# Altium PCB MyPCB.PcbDoc (part 1 of 2)
Units mil, origin at the board's own origin, x right, y up, seen from the top; angles counter-clockwise.
Board outline 3779.53 x 1968.5 mil, 2 copper layers (Top Layer, Bottom Layer); 73 components, 82 nets, 385 pads, 196 vias.
Unrouted connection lines stored in the file: 65.
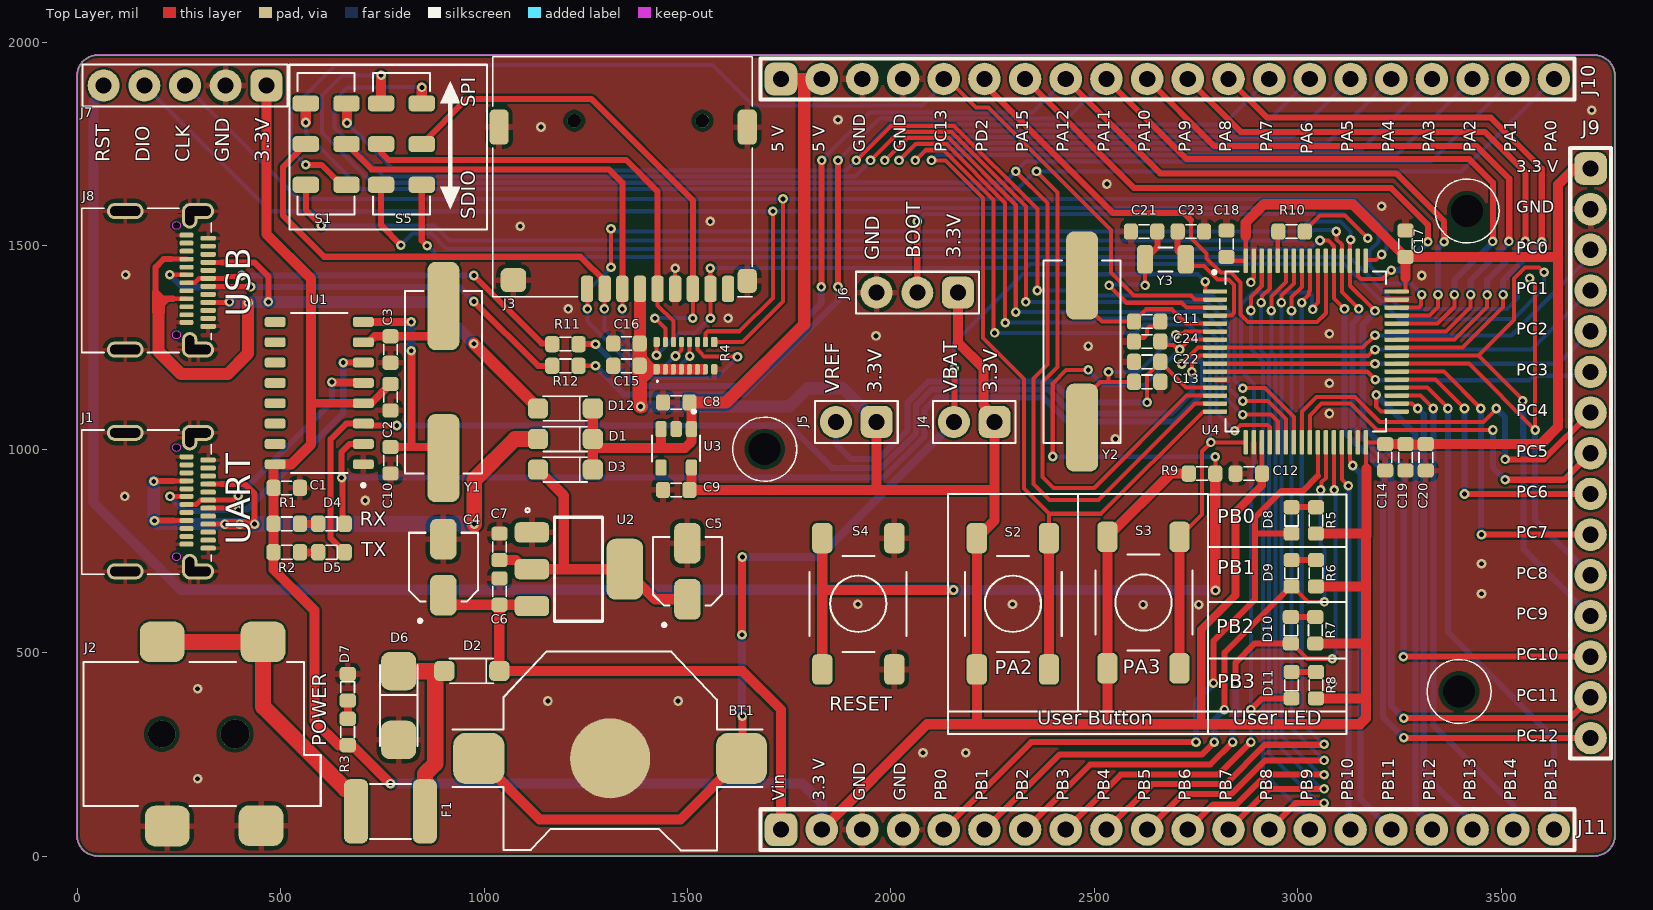
[diagram p0: Top Layer view]
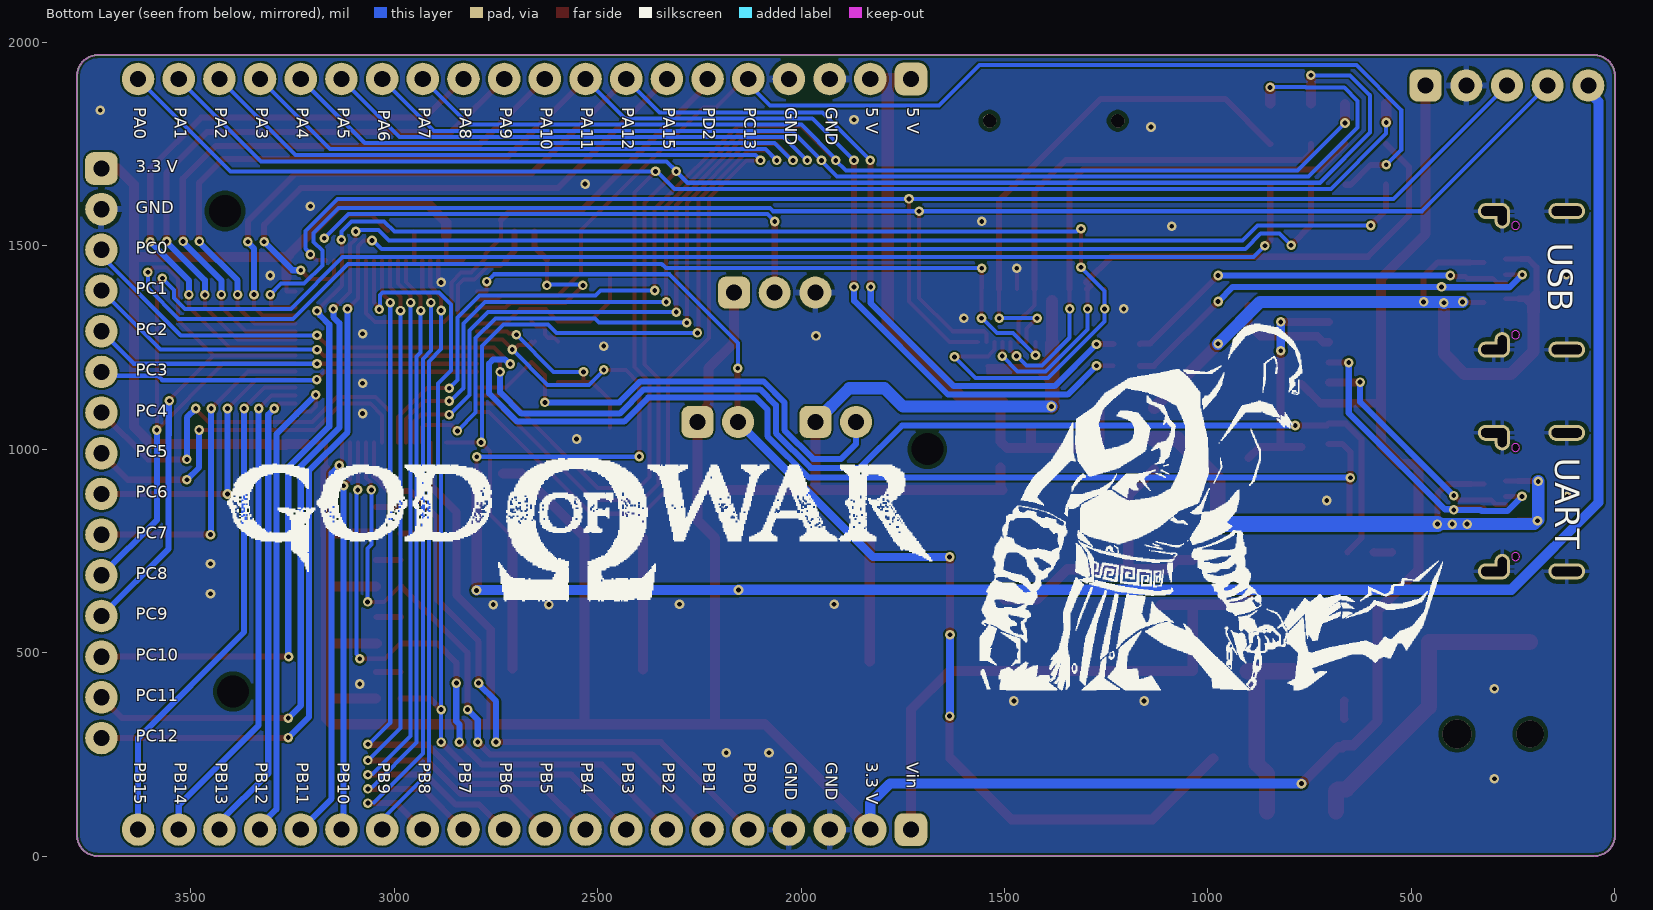
[diagram p1: Bottom Layer view, seen from below]

## Layer stack, top to bottom
Top Solder: solder mask 0.4, Solder Resist, Dk 3.5
Top Layer: signal copper 1.4
Dielectric 1: dielectric 12.6, FR-4, Dk 4.8
Bottom Layer: signal copper 1.4
Bottom Solder: solder mask 0.4, Solder Resist, Dk 3.5

## Board outline
50,0 cw(c50,50) 0,50 0,1918.5 cw(c50,1918.5) 50,1968.5 3729.53,1968.5 cw(c3729.53,1918.5) 3779.53,1918.5 3779.53,50 cw(c3729.53,50) 3729.53,0
cut-out: 244,1540.16 cw(c244,1550) 234.16,1550 cw(c244,1550) 244,1559.84 cw(c244,1550) 253.84,1550 cw(c244,1550)
cut-out: 244,1271.39 cw(c244,1281.23) 234.16,1281.23 cw(c244,1281.23) 244,1291.08 cw(c244,1281.23) 253.84,1281.23 cw(c244,1281.23)
cut-out: 244,994.25 cw(c244,1004.09) 234.16,1004.09 cw(c244,1004.09) 244,1013.94 cw(c244,1004.09) 253.84,1004.09 cw(c244,1004.09)
cut-out: 244,726.06 cw(c244,735.91) 234.16,735.91 cw(c244,735.91) 244,745.75 cw(c244,735.91) 253.84,735.91 cw(c244,735.91)

## Design rules (kind name [scope] priority, off if disabled: settings)
Clearance [All] p1: gap=5 ignorepadtopadclearanceinfootprint=FALSE except(0: Arc-Text Track-Text SMDPad-Text THPad-Text Via-Text Fill-Text Poly-Text Region-Text Text-Text Text-Hole; 8: Arc-THPad Arc-Via Track-THPad Track-Via SMDPad-THPad SMDPad-Via THPad-THPad THPad-Via Via-Via; 10: Arc-Hole Track-Hole SMDPad-Hole THPad-Hole Via-Hole Fill-Hole Poly-Hole Region-Hole)
ComponentClearance [All] p1: gap=5 collisioncheckmode=3 verticalgap=0 showdistances=FALSE
HoleToHoleClearance [All] p1: gap=19.68 allowstackedmicrovias=TRUE
MinimumSolderMaskSliver [All] p1 off: minsoldermaskwidth=10
NetAntennae [All] p1: netantennaetolerance=10
PlaneClearance [All] p1: clearance=30
PlaneConnect [All] p1: planeconnectstyle=Relief reliefexpansion=15 reliefentries=4 reliefconductorwidth=15 reliefairgap=10
PolygonConnect [All] p1: connectstyle=Relief reliefconductorwidth=15 reliefentries=4 polygonreliefangle="90 Angle" airgapwidth=10
RoutingCorners [All] p1: cornerstyle=45-Degree minsetback=80 maxsetback=80
RoutingVias [All] p1: holewidth=6 width=10 viastyle="Through Hole" minholewidth=6 minwidth=10 maxholewidth=39.37 maxwidth=78.74
SMDToCorner [All] p1 off: distance=80000
SMDToPlane [All] p1: distance=150000
SilkToSilkClearance [All] p1 off: silktosilkclearance=0
SilkToSolderMaskClearance [IsPad] p1 off: minsilkscreentomaskgap=10 clearancetoexposedcopper=TRUE
SolderMaskExpansion [All] p1: expansion=4 istentingtop=FALSE
Width [All] p1: maxlimit=100 minlimit=8 preferedwidth=10 minimp=50.000000 maximp=50.000000 favimp=50.000000
21 further rules are at their usual default settings.

## Components (designator, comment, footprint, x,y, rotation, side; value= is the part's Value field where it differs from the comment)
BT1 "L-KLS5-CR1220-011-R" "BATTERY HOLDER CR1220" 1310,240 r180 top
C1 "CC0603JRX7R9BB104" "CAP 0603" 515,905 r180 top
C2 "CC0603JRX7R9BB104" "CAP 0603" 770,1127.8 r90 top
C3 "CC0603JRNPO9BN330" "CAP 0603" 770,1245 r270 top
C4 "EEEFK1C470SR" SMD,D4XL5.8MM 900,710 r90 top
C5 "EEEFK1C470SR" SMD,D4XL5.8MM 1500,700 r90 top
C6 "CC0603JRX7R9BB104" "CAP 0603" 1038,650 r270 top
C7 "CL10A106KO8NQNC" "CAP 0603" 1038,760 r270 top
C8 "CL10A105KA8NNNC" "CAP 0603" 1472.5,1115 r0 top
C9 "CL10A105KA8NNNC" "CAP 0603" 1472.5,900 r0 top
C10 "CC0603JRNPO9BN330" "CAP 0603" 770,972.8 r270 top
C11 "CC0603JRNPO9BN330" "CAP 0603" 2630,1314 r180 top
C12 "CC0603JRX7R9BB104" "CAP 0603" 2880,940 r180 top
C13 "CC0603JRNPO9BN330" "CAP 0603" 2630,1165.73 r180 top
C14 "CC0603JRX7R9BB104" "CAP 0603" 3215,980 r270 top
C15 "CL10A105KA8NNNC" "CAP 0603" 1350,1205 r0 top
C16 "CC0603JRX7R9BB104" "CAP 0603" 1350,1260 r0 top
C17 "CC0603JRX7R9BB104" "CAP 0603" 3265,1505 r90 top
C18 "CC0603JRX7R9BB104" "CAP 0603" 2825,1505 r90 top
C19 "CL10A105KA8NNNC" "CAP 0603" 3265,980 r270 top
C20 "CL10A106KO8NQNC" "CAP 0603" 3315,980 r270 top
C21 "CC0603FRNPO9BN100" "CAP 0603" 2622.5,1535 r0 top
C22 "CC0603JRX7R9BB104" "CAP 0603" 2630,1214.73 r180 top
C23 "CC0603FRNPO9BN100" "CAP 0603" 2737.5,1535 r180 top
C24 "CC0603JRX7R9BB104" "CAP 0603" 2630,1264.73 r0 top
D1 "1N5819HW-7-F" SOD-123 1200,1025 r180 top
D2 "1N5819HW-7-F" SOD-123 970,455 r180 top
D3 "1N5819HW-7-F" SOD-123 1200,950 r180 top
D4 "NCD0603B1" LED_0603 625,816.73 r0 top
D5 "NCD0603R1" LED_0603 625,746.73 r0 top
D6 "SMAJ15A" "DO214AC (SMA)" 790,370 r270 top
D7 "NCD0603R1" LED_0603 665,415 r90 top
D8 "NCD0603B1" LED_0603 2985,825 r270 top
D9 "NCD0603B1" LED_0603 2985,695 r270 top
D10 "NCD0603B1" LED_0603 2983.27,555 r270 top
D11 "NCD0603B1" LED_0603 2985,420 r270 top
D12 "1N5819HW-7-F" SOD-123 1200,1100 r180 top
F1 "FSMD075-33R" PTC_1812 770,110 r0 top
J1 "217B-BC02" "USB TYPE C" 220,870 r270 top
J2 "L-KLS1-TDC-001-2.0-T" "POWER JACK SMD" 332.91,300 r0 top
J3 "KLS1-TF-003" MICRO_SD_CARD 1340,1650 r180 top
J4 "Header_Male_2_PIN(1X2)" HEADER_MALE_2_PIN(1X2) 2205,1067 r180 top
J5 "Header_Male_2_PIN(1X2)" HEADER_MALE_2_PIN(1X2) 1915,1067 r180 top
J6 "Header_Male_3_PIN(1X3)" HEADER_MALE_3_PIN(1X3) 2065,1385 r180 top
J7 "Header_Male_5_PIN(1X5)" HEADER_MALE_5_PIN(1X5) 265,1894 r180 top
J8 "217B-BC02" "USB TYPE C" 220,1415 r270 top
J9 "Header_Female_15_PIN(1X15)" HEADER_FEMALE_15_PIN(1X15) 3720,990 r0 top
J10 "Header_Female_20_PIN(1X20)" HEADER_FEMALE_20_PIN(1X20) 2680,1910 r90 top
J11 "Header_Female_20_PIN(1X20)" HEADER_FEMALE_20_PIN(1X20) 2680,65 r90 top
R1 "AC0603FR-071KL" "RES 0603" 515,816.73 r180 top
R2 "AC0603FR-071KL" "RES 0603" 515,746.73 r180 top
R3 "AC0603FR-071KL" "RES 0603" 665,305 r270 top
R4 "16P8WGJ0103T4E" "RES ARRAY 16P8" 1495,1230 r90 top
R5 "AC0603FR-071KL" "RES 0603" 3045,825 r90 top
R6 "AC0603FR-071KL" "RES 0603" 3045,695 r90 top
R7 "AC0603FR-071KL" "RES 0603" 3043.27,555 r90 top
R8 "AC0603FR-071KL" "RES 0603" 3045,420 r90 top
R9 "RC0603FR-0710KL" "RES 0603" 2765,940 r180 top
R10 "RC0603FR-0710KL" "RES 0603" 2985,1535 r180 top
R11 "RC0603FR-0720RL" "RES 0603" 1200,1258.27 r180 top
R12 "RC0603FR-0720RL" "RES 0603" 1200,1205 r180 top
S1 "JS202011JCQN" "SWITCH SLIDE DPDT" 612,1750 r0 top
S2 "DTSM-61S-V-T/R" "SWITCH TACT 6.00X6.00 4.30MM" 2300,620 r90 top
S3 "DTSM-61S-V-T/R" "SWITCH TACT 6.00X6.00 4.30MM" 2621,623 r90 top
S4 "DTSM-61S-V-T/R" "SWITCH TACT 6.00X6.00 4.30MM" 1920,620 r270 top
S5 "JS202011JCQN" "SWITCH SLIDE DPDT" 797,1750 r0 top
U1 "CH340G" SOIC16N 595,1138 r180 top
U2 "LD1117S50TR" SOT-223 1232,705 r0 top
U3 "XC6210B332MR-G" SOT-25 1472.4,1002.24 r270 top
U4 "Stm32l433rct6" "LQFP 64 - (10 X 10)" 3020,1240 r0 top
Y1 "AS-12.000-18-SMD-TR" HC-49S-SMD 900,1165 r90 top
Y2 "AS-4.000-16-SMD-TR" HC-49S-SMD 2470,1240 r90 top
Y3 "RT3215-32.768-6-EXT-TR" SMD3215-2P 2675,1466.73 r180 top

## Footprints (in the part's own frame and the unit in brackets; to place one, negate y for a bottom-side part, rotate by r counter-clockwise, add the part's x,y. Pads: shape width x height; smd on the part's side, far side on the other; paste and mask are expansions set on the pad)
"BATTERY HOLDER CR1220" [mm]
  round 5 smd: N(0,0)
  rrect50% 3.2x3.2 smd: P(-8.2,0) P(8.2,0)
  silkscreen extent -9.5,-6.66 9.84,5.74, body extent -9.5,-6.76 9.5,5.81, height 3.22
"CAP 0603" [mil] "Chip Capacitor, 2-Leads, Body 1,55x0,85mm, IPC Medium Density"
  rrect50% 35x40 smd: 1(-32.5,0) 2(32.5,0)
  silkscreen extent -13,-17 13,17, body extent -30,-17 31,17, height 22
"DO214AC (SMA)" [mm]
  rrect50% 2.4x2.2 smd: 1(2.15,0) 2(-2.15,0)
  silkscreen extent -2.54,-1.17 2.54,1.17, body extent -2.6,-1.3 2.6,1.3, height 2.35
HC-49S-SMD [mm]
  rrect50% 5.5x2 smd: 1(-4.75,0) 2(4.75,0)
  silkscreen extent -5.7,-2.4 5.7,2.4, body extent -6.6,-2.39 6.6,2.41, height 4.3
HEADER_FEMALE_15_PIN(1X15) [mil]
  rrect50% 80x80 hole 40: 1(0,700)
  round 80 hole 40: 2(0,600) 3(0,500) 4(0,400) 5(0,300) 6(0,200) 7(0,100) 8(0,0) 9(0,-100) 10(0,-200) 11(0,-300) 12(0,-400) 13(0,-500) 14(0,-600) 15(0,-700)
  silkscreen extent -50,-750 50,750, body extent -50,-750 50,750, height 237
HEADER_FEMALE_20_PIN(1X20) [mil]
  rrect50% 80x80 hole 40: 1(0,950)
  round 80 hole 40: 2(0,850) 3(0,750) 4(0,650) 5(0,550) 6(0,450) 7(0,350) 8(0,250) 9(0,150) 10(0,50) 11(0,-50) 12(0,-150) 13(0,-250) 14(0,-350) 15(0,-450) 16(0,-550) 17(0,-650) 18(0,-750) 19(0,-850) 20(0,-950)
  silkscreen extent -50,-1000 50,1000, body extent -50,-1000 50,1000, height 237
HEADER_MALE_2_PIN(1X2) [mm]
  rrect50% 2x2 hole 1: 1(-1.27,0)
  round 2 hole 1: 2(1.27,0)
  silkscreen extent -2.59,-1.3 2.57,1.3, body extent -2.64,-1.27 2.64,1.27, height 8.28
HEADER_MALE_3_PIN(1X3) [mm]
  rrect50% 2x2 hole 1: 1(-2.54,0)
  round 2 hole 1: 2(0,0) 3(2.54,0)
  silkscreen extent -3.86,-1.3 3.84,1.3, body extent -3.81,-1.46 3.81,1.46, height 8.51
HEADER_MALE_5_PIN(1X5) [mm]
  rrect50% 2x2 hole 1: 1(-5.08,0)
  round 2 hole 1: 2(-2.54,0) 3(0,0) 4(2.54,0) 5(5.08,0)
  silkscreen extent -6.4,-1.3 6.4,1.3, body extent -6.35,-1.46 6.39,1.46, height 8.51
LED_0603 [mil]
  rrect50% 35x40 smd: A(-32.5,0) C(32.5,0)
  silkscreen extent -14,-17 14,17, body extent -32,-14 32,15, height 27
"LQFP 64 - (10 X 10)" [mil] "LQFP 64 - (10 x 10)"
  rrect50% 60x11 smd: 1(-223.23,147.64) 2(-223.23,127.95) 3(-223.23,108.27) 4(-223.23,88.58) 5(-223.23,68.9) 6(-223.23,49.21) 7(-223.23,29.53) 8(-223.23,9.84) 9(-223.23,-9.84) 10(-223.23,-29.53) 11(-223.23,-49.21) 12(-223.23,-68.9) 13(-223.23,-88.58) 14(-223.23,-108.27) 15(-223.23,-127.95) 16(-223.23,-147.64) 33(223.23,-147.64) 34(223.23,-127.95) 35(223.23,-108.27) 36(223.23,-88.58) 37(223.23,-68.9) 38(223.23,-49.21) 39(223.23,-29.53) 40(223.23,-9.84) 41(223.23,9.84) 42(223.23,29.53) 43(223.23,49.21) 44(223.23,68.9) 45(223.23,88.58) 46(223.23,108.27) 47(223.23,127.95) 48(223.23,147.64)
  rrect50% 11x60 smd: 17(-147.64,-223.23) 18(-127.95,-223.23) 19(-108.27,-223.23) 20(-88.58,-223.23) 21(-68.9,-223.23) 22(-49.21,-223.23) 23(-29.53,-223.23) 24(-9.84,-223.23) 25(9.84,-223.23) 26(29.53,-223.23) 27(49.21,-223.23) 28(68.9,-223.23) 29(88.58,-223.23) 30(108.27,-223.23) 31(127.95,-223.23) 32(147.64,-223.23) 49(147.64,223.23) 50(127.95,223.23) 51(108.27,223.23) 52(88.58,223.23) 53(68.9,223.23) 54(49.21,223.23) 55(29.53,223.23) 56(9.84,223.23) 57(-9.84,223.23) 58(-29.53,223.23) 59(-49.21,223.23) 60(-68.9,223.23) 61(-88.58,223.23) 62(-108.27,223.23) 63(-127.95,223.23) 64(-147.64,223.23)
  silkscreen extent -229,-197 197,199, body extent -236,-236 236,236, height 63
MICRO_SD_CARD [mm]
  rrect50% 0.762x1.651 smd: 1(2.2,6.5) 2(1.1,6.5) 3(0,6.5) 4(-1.1,6.5) 5(-2.2,6.5) 6(-3.3,6.5) 7(-4.4,6.5) 8(-5.5,6.5) 9(-6.6,6.5)
  rrect50% 1.2x1.5 smd: SH(-7.8,6)
  rrect50% 1.2x2.2 smd: SH(-7.8,-3.6) SH(7.7,-3.6)
  rrect50% 1.6x1.5 smd: SH(6.8,5.95)
  round 0.85 hole 0.85 unplated paste-2539.97 mask-2539.97: ""(-5,-4) ""(3,-4)
  silkscreen extent -8.1,-8 8.1,7, body extent -8.1,-8 8.1,7, height 1.91
"POWER JACK SMD" [mm]
  rrect50% 2.794x2.54 smd: 1(-3.15,5.75) 1(3.15,5.75) 2(-2.828,-5.75) 3(3.026,-5.725)
  round 1.7 hole 1.7 unplated: ""(-3.175,0)
  round 1.8 hole 1.8 unplated: ""(1.397,0)
  silkscreen extent -8.05,-4.5 6.75,4.5, body extent -8,-6.3 6.8,6.3, height 11
PTC_1812 [mm]
  rrect50% 1.5x4 smd: 1(-2.15,0) 2(2.15,0)
  silkscreen extent -1.27,-1.73 1.27,1.7, body extent -2.27,-1.62 2.27,1.62, height 1.25
"RES 0603" [mil]
  rrect50% 35x40 smd: 1(-32.5,0) 2(32.5,0)
  silkscreen extent -14,-17 14,17, body extent -31,-16 31,16, height 31
"RES ARRAY 16P8" [mm] "Res Array, 16p8"
  rrect50% 0.635x0.4 smd: 1(-0.85,1.8) 8(-0.85,-1.8) 9(0.85,-1.8) 16(0.85,1.8)
  rrect50% 0.635x0.3 smd: 2(-0.85,1.25) 3(-0.85,0.75) 4(-0.85,0.25) 5(-0.85,-0.25) 6(-0.85,-0.75) 7(-0.85,-1.25) 10(0.85,-1.25) 11(0.85,-0.75) 12(0.85,-0.25) 13(0.85,0.25) 14(0.85,0.75) 15(0.85,1.25)
  silkscreen extent -1.65,1.7 -1.55,1.8, body extent -0.8,-2 0.8,2, height 0.55
SMD3215-2P [mil]
  rrect50% 40x70 smd: 1(-50,0) 2(50,0)
  silkscreen extent -17,-30 17,30, body extent -63,-30 63,30, height 26
SMD,D4XL5.8MM [mil]
  rrect50% 100x65 smd: 1(-68.9,0) 2(68.9,0)
  silkscreen extent -136,-85 85,85, body extent -98,-85 98,85, height 228
SOD-123 [mil]
  rrect50% 50x50 smd: A(67.5,0) C(-67.5,0)
  silkscreen extent -54,-31 55,31, body extent -72,-31 72,31, height 57
SOIC16N [mm]
  rrect50% 1.31x0.62 smd: 1(-2.75,4.445) 2(-2.75,3.175) 3(-2.75,1.905) 4(-2.75,0.635) 5(-2.75,-0.635) 6(-2.75,-1.905) 7(-2.75,-3.175) 8(-2.75,-4.445) 9(2.75,-4.445) 10(2.75,-3.175) 11(2.75,-1.905) 12(2.75,-0.635) 13(2.75,0.635) 14(2.75,1.905) 15(2.75,3.175) 16(2.75,4.445)
  silkscreen extent -2.85,-5 1.78,5.85, body extent -3,-5 3,5, height 1.8
SOT-25 [mil]
  rrect50% 40x28 smd: 1(-47.24,37.4) 2(-47.24,0) 3(-47.24,-37.4) 4(47.24,-37.4) 5(47.24,37.4)
  silkscreen extent -94,-59 32,59, body extent -55,-57 55,57, height 51
SOT-223 [mm]
  rrect50% 2.159x1.27 smd: 1(-2.9,2.3) 2(-2.9,0) 3(-2.9,-2.3)
  rrect50% 2.286x3.81 smd: 2(2.9,0)
  silkscreen extent -3.3,-3.25 1.5,3.81, body extent -3.5,-3.25 3.5,3.25, height 1.8
"SWITCH SLIDE DPDT" [mil]
  rrect50% 65x40 smd: 1(-50,100) 2(-50,0) 3(-50,-100) 4(50,-100) 5(50,0) 6(50,100)
  silkscreen extent -70,-173 70,175, body extent -71,-177 71,177, height 220
"SWITCH TACT 6.00X6.00 4.30MM" [mm] "SWITCH TACT 6.00x6.00 4.30mm"
  rrect50% 1.905x1.27 smd: 1(-4.1,2.25) 1(4.1,2.25) 2(-4.1,-2.25) 2(4.1,-2.25)
  silkscreen extent -3,-3.05 2.99,3, body extent -4,-3.02 4,3.28, height 3.1
"USB TYPE C" [mm] "CONN.USB 3.1 C TYPE SMT R/A DUAL ROW"
  rrect50% 0.3x0.95 smd: A1(-2.625,2.588) A2(-2.125,2.588) A3(-1.625,2.588) A4(-1.125,2.588) A5(-0.625,2.588) A6(-0.125,2.588) A7(0.375,2.588) A8(0.875,2.588) A9(1.375,2.588) A10(1.875,2.588) A11(2.375,2.588) A12(2.875,2.588)
  rrect50% 0.3x0.85 smd: B1(2.625,1.238) B2(2.15,1.238) B3(1.65,1.238) B4(1.15,1.238) B5(0.65,1.238) B6(0.15,1.238) B7(-0.35,1.238) B8(-0.825,1.238) B9(-1.325,1.238) B10(-1.825,1.238) B11(-2.325,1.238) B12(-2.825,1.238)
  oval 1x2.3 hole 0.6 slot 1.9 at 90 deg: SH(-4.325,-2.588) SH(4.325,-2.588)
  oval 1x2 hole 0.6 slot 1.6 at 90 deg: SH(-4.325,1.963) SH(4.325,1.963)
  oval 1.6x0.95 hole 0.55 slot 1.2 at 0 deg: SH(-4.025,1.438) SH(4.025,1.438)
  silkscreen extent -4.5,-5.31 4.5,2.79, body extent -4.47,-5.29 4.47,2.81, height 3.18

## Part data
BT1: library part "BATTERY HOLDER CR1220_1", "BATTERY HOLDER SMD FOR CR1220 METAL BULK", Package=CR1220, ComponentLink1Description=https://ozdisan.com/bataryalar/batarya-aksesuarlari/pil-yuvalari/L-KLS5-CR1220-011-R/585223, ComponentLink1URL=https://ozdisan.com/bataryalar/batarya-aksesuarlari/pil-yuvalari/L-KLS5-CR1220-011-R/585223
C1 C2 C6 C12 C14 C16 C17 C18 C22 C24: library part "CAP CER 100nF 0603", "50V 100nF X7R ±5% 0603 Multilayer Ceramic Capacitors", Capaticance=100nF
C3 C10 C11 C13: library part "CAP CER 33pF 0603", "50V 33pF NP0 ±5% 0603 Multilayer Ceramic Capacitors", Capaticance=33pF
C4 C5: library part "CAP ALUM 47uF", "47uF 5.8mm 16V 4mm ±20% SMD,4x5.8mm Aluminum Electrolytic Capacitors", Capaticance=47uF
C7 C20: library part "CAP CER 10uF 0603", "16V 10uF X5R ±10% 0603 Multilayer Ceramic Capacitors", Capaticance=10uF
C8 C9 C15 C19: library part "CAP CER 1uF 0603", "25V 1uF X5R ±10% 0603 Multilayer Ceramic Capacitors", Capaticance=1uF
C21 C23: library part "CAP CER 10pF 0603", "50V 10pF NP0 ±1% 0603 Multilayer Ceramic Capacitors", Capaticance=10pF
D1 D2 D3 D12: library part "Diode Shottky", "DIODE SCHOTTKY 1A 40V SOD123", ComponentLink1Description=https://ozdisan.com/Product/Detail/417246/1N5819HW-7-F, ComponentLink1URL=https://ozdisan.com/Product/Detail/417246/1N5819HW-7-F, Manufacturer Part Number=1N5819HW-7-F
D4 D8 D9 D10 D11: library part "Led Blue 0603", "Blue 130° 65mW 0603 Light Emitting Diodes (LED)", Color=Blue
D5 D7: library part "Led Red 0603", "Red 130° 65mW 0603 Light Emitting Diodes (LED)", Color=Red
D6: library part "Diode TVS 15V", "24.4V 16.7V 15V SMA(DO-214AC)  TVS ROHS", Voltage=15V, ComponentLink1Description=https://ozdisan.com/guc-yari-iletkenleri/diyotlar-modul-diyotlar-ve-dogrultucular/tvs-diyotlar/P4SMAJ15ASR100001/642899, ComponentLink1URL=https://ozdisan.com/guc-yari-iletkenleri/diyotlar-modul-diyotlar-ve-dogrultucular/tvs-diyotlar/P4SMAJ15ASR100001/642899, Manufacturer Part Number=SMAJ15A
F1: library part "PTC Fuse 1812", "THERMISTOR PTC RESETTABLE FUSE 1812 750mA 33V", Current=750mA, ComponentLink1Description=https://ozdisan.com/devre-koruyucular/sigorta-bilesenleri/ptc-sigortalar/FSMD075-33R/537034, ComponentLink1URL=https://ozdisan.com/devre-koruyucular/sigorta-bilesenleri/ptc-sigortalar/FSMD075-33R/537034, Manufacturer Part Number=FSMD075-33R
J1 J8: library part "Usb Type C 3.1", "CONN.USB 3.1 C TYPE SMT R/A DUAL ROW", Manufacturer Part Number=1054500101, ComponentLink1Description=https://ozdisan.com/konnektor-ve-baglanti-elemanlari/usb-dvi-hdmi-konnektorler/usb-konnektorler/217B-BC02/607751, ComponentLink1URL=https://ozdisan.com/konnektor-ve-baglanti-elemanlari/usb-dvi-hdmi-konnektorler/usb-konnektorler/217B-BC02/607751
J2: library part "Power Receptacle 2mm Smd_1", "CONNECTOR JACK DC POWER 2MM SMD", ComponentLink1Description=https://ozdisan.com/konnektor-ve-baglanti-elemanlari/power-konnektorler/power-jackler/L-KLS1-TDC-001-2-0-T/466366, ComponentLink1URL=https://ozdisan.com/konnektor-ve-baglanti-elemanlari/power-konnektorler/power-jackler/L-KLS1-TDC-001-2-0-T/466366
J3: library part "Micro SD Card_1", "-25℃~+85℃ 1.8mm Tin Deck MicroSD card (TF card) 260℃ C5191 Self bomb SMD  SD Card Connectors ROHS", Manufacturer Part Number=TF-115-BCP9, ComponentLink1Description=https://www.ozdisan.com/p/pc-kart-soketleri-10181?SearchText=KLS1-TF-003, ComponentLink1URL=https://www.ozdisan.com/p/pc-kart-soketleri-10181?SearchText=KLS1-TF-003
J4 J5: "PIN HEADER 2PIN(1x2) 2.54mm THT V/T"
J6: "PIN HEADER 3PIN(1x3) 2.54mm THT V/T"
J7: "PIN HEADER 5PIN(1x5) 2.54mm THT R/A"
J9 J10 J11: "FEMALE HEADER 10PIN(1x10) 2.54mm THT V/T TRAY"
R1 R2 R3 R5 R6 R7 R8: library part "RES 1kR 0603", "100mW Thick Film Resistors ±100ppm/℃ ±1% 1kΩ 0603 Chip Resistor", Resistance=1kR
R4: library part "RES Array 10kR 16P8_1", "8 ±5% 10kΩ 63mW ±200ppm/℃ SMD-16P,1.6x3.8mm  Resistor Networks & Arrays", Manufacturer Part Number=YC248-JR-0710KL, Resistance=10kR, ComponentLink1Description=https://ozdisan.com/pasif-komponentler/direncler/ag-ve-sira-direncler/16P8WGJ0103T4E/474050, ComponentLink1URL=https://ozdisan.com/pasif-komponentler/direncler/ag-ve-sira-direncler/16P8WGJ0103T4E/474050
R9 R10: library part "RES 10kR 0603", "100mW Thick Film Resistors ±100ppm/℃ ±1% 10kΩ 0603 Chip Resistor", Resistance=10kR
R11 R12: library part "RES 20R 0603", "100mW Thick Film Resistors ±100ppm/℃ ±1% 20Ω 0603 Chip Resistor", Resistance=20R
S1 S5: library part "Switch Slide DPDT SMT", "SWITCH SLIDE DPDT 300MA 6V", ComponentLink1Description=https://ozdisan.com/elektromekanik-komponentler/sivicler-ve-anahtarlar/surgulu-sivicler/JS202011JCQN/1022388, ComponentLink1URL=https://ozdisan.com/elektromekanik-komponentler/sivicler-ve-anahtarlar/surgulu-sivicler/JS202011JCQN/1022388
S2 S3 S4: library part "SWITCH TACT 6.00x6.00 4.30mm_1", "-40℃~+85℃ 6mm 5mm Red 50mA Round Button Brick nogging SPST 6mm 12V 250gf@±50gf SMD  Tactile Switches ROHS", Manufacturer Part Number="TPF16LS-SE50 Copy"
U1: "2Mbps Transceiver USB 2.0 SOP-16  USB ICs ROHS", ComponentLink1Description=https://www.ozdisan.com/entegre-devreler-icler/interface-entegreleri/arayuz-kontrolor-entegreleri/CH340G/469466, ComponentLink1URL=https://www.ozdisan.com/entegre-devreler-icler/interface-entegreleri/arayuz-kontrolor-entegreleri/CH340G/469466, Manufacturer Part Number=CH340G
U2: library part "Regulator LDO 5V", "800mA Fixed 5V Positive 15V SOT-223  Linear Voltage Regulators (LDO)", ComponentLink1Description=https://ozdisan.com/entegre-devreler-icler/guc-entegreleri/lineer-voltaj-regulatorleri/LD1117S50TR/405969, ComponentLink1URL=https://ozdisan.com/entegre-devreler-icler/guc-entegreleri/lineer-voltaj-regulatorleri/LD1117S50TR/405969, Manufacturer Part Number=LD1117S50TR
U3: library part "Regulator LDO 3.3V", "700mA 60dB@(1kHz) Fixed 3.3V Positive 6V SOT-25 Linear Voltage", ComponentLink1Description=https://ozdisan.com/entegre-devreler-icler/guc-entegreleri/lineer-voltaj-regulatorleri/XC6210B332MR-G/490658, ComponentLink1URL=https://ozdisan.com/entegre-devreler-icler/guc-entegreleri/lineer-voltaj-regulatorleri/XC6210B332MR-G/490658, Manufacturer Part Number=XC6210B332MR-G
U4: "Ultra-low-power with FPU ARM Cortex-M4 MCU 80 MHz with 256 Kbytes Flash, LCD, USB", Manufacturer=STMicroelectronics, Manufacturer Part Number=STM32L433RCT6, Supplier Part Number=511-STM32L433RCT6, Category=Microcontrollers, ComponentLink1Description=http://www.farnell.com/datasheets/2581765.pdf?src-supplier=Farnell, ComponentLink1URL=http://www.farnell.com/datasheets/2581765.pdf?src-supplier=Farnell, ComponentLink2Description=http://www.farnell.com/datasheets/2581765.pdf?src-supplier=Element14, ComponentLink2URL=http://www.farnell.com/datasheets/2581765.pdf?src-supplier=Element14, ComponentLink3Description=http://www.farnell.com/datasheets/2581765.pdf?src-supplier=Newark, ComponentLink3URL=http://www.farnell.com/datasheets/2581765.pdf?src-supplier=Newark, ComponentLink4Description=http://www.st.com/content/ccc/resource/technical/document/reference_manual/group0/b0/ac/3e/8f/6d/21/47/af/DM00151940/files/DM00151940.pdf/jcr:content/translations/en.DM00151940.pdf?src-supplier=Digi-Key, ComponentLink4URL=http://www.st.com/content/ccc/resource/technical/document/reference_manual/group0/b0/ac/3e/8f/6d/21/47/af/DM00151940/files/DM00151940.pdf/jcr:content/translations/en.DM00151940.pdf?src-supplier=Digi-Key, ComponentLink5Description=https://datasheet.octopart.com/STM32L433RCT6-STMicroelectronics-datasheet-62336854.pdf?src-supplier=Future+Electronics, ComponentLink5URL=https://datasheet.octopart.com/STM32L433RCT6-STMicroelectronics-datasheet-62336854.pdf?src-supplier=Future+Electronics, ComponentLink6Description=https://datasheet.octopart.com/STM32L433RCT6-STMicroelectronics-datasheet-82526589.pdf?src-supplier=SHENGYU+ELECTRONICS, ComponentLink6URL=https://datasheet.octopart.com/STM32L433RCT6-STMicroelectronics-datasheet-82526589.pdf?src-supplier=SHENGYU+ELECTRONICS, ComponentLink7Description=https://ozdisan.com/Product/Detail/492672/STM32L433RCT6, ComponentLink7URL=https://ozdisan.com/Product/Detail/492672/STM32L433RCT6, Pricing="1=6,86, 10=6,2, 50=5,14, 100=4,91, 1000=3,89, 10000=3,89 (USD)", RoHS=Yes, Stock=2539, Supplier=Mouser
Y1: library part "Crystal 12Mhz_1", "CRYSTAL 12.0000MHZ 18PF SMD", Frequency=12Mhz, Manufacturer Part Number=X49SM12MSD2SC, ComponentLink1Description=https://www.ozdisan.com/pasif-komponentler/kristaller-osilatorler-ve-rezanatorler/kristaller/AS-12-000-18-SMD-TR/642535, ComponentLink1URL=https://www.ozdisan.com/pasif-komponentler/kristaller-osilatorler-ve-rezanatorler/kristaller/AS-12-000-18-SMD-TR/642535
Y2: library part "Crystal 4Mhz_1", "4MHz 20pF ±20ppm HC-49S-SMD Crystals ROHS", Frequency=4Mhz, ComponentLink1Description=https://ozdisan.com/pasif-komponentler/kristaller-osilatorler-ve-rezanatorler/kristaller/AS-4-000-16-SMD-TR/40448, ComponentLink1URL=https://ozdisan.com/pasif-komponentler/kristaller-osilatorler-ve-rezanatorler/kristaller/AS-4-000-16-SMD-TR/40448
Y3: library part "Crystal 32Khz_1", "32.768kHz 6pF ±20ppm SMD3215-2P Crystals ROHS", Frequency=32Khz, ComponentLink1Description=https://ozdisan.com/pasif-komponentler/kristaller-osilatorler-ve-rezanatorler/kristaller/RT3215-32-768-6-EXT-TR/576635, ComponentLink1URL=https://ozdisan.com/pasif-komponentler/kristaller-osilatorler-ve-rezanatorler/kristaller/RT3215-32-768-6-EXT-TR/576635

## Free pads (board coordinates)
  round 0 hole 78.74: ""(1690,1000) ""(3396.69,404.45) ""(3416.38,1585.55)

## Via types
v1: diameter 23.62, hole 11.81, Top Layer to Bottom Layer, tented both sides, 196 vias

## Nets (pads, with @x,y where several pads share a name; then routed paths per layer and width w, separated by ;. In a path a pad name is that pad's centre, name@x,y a point inside that pad or via, vN(x,y) a via of type N, cw(c..) or ccw(c..) an arc to the next point about the centre after c; other vN are vias at no path point)
+3.3: C1.2 C2.2 C9.2 C12.1 C14.1 C15.2 C16.2 C17.1 C18.1 C19.1 C20.1 J3.4 J4.1 J5.1 J6.1 J7.1 J9.1 J11.2 R1.2 R2.2 R3.2 R4.1 R4.2 R4.3 R4.4 R4.5 R4.6 R4.7 R5.1 R6.1 R7.1 R8.1 R9.2 S2.1 S3.1 U1.4 U1.16 U3.5 U4.19 U4.32 U4.48 U4.64 | length 12672.6
  Top Layer w10: C18.1@2825,1472.5 2834.27,1463.23 U4.64@2872.36,1463.23 2872.36,1524.36 ; C12.1@2911.73,940.77 U4.19@2911.73,1016.77 ; 3169.31,952.36 3167.64,954.04 U4.32@3167.64,1016.77 3210.73,1016.77 C14.1@3215,1012.5 ; U4.48@3243.23,1387.64 3264.5,1387.64 3265,1388.14 3265,1421
  Top Layer w20: 575,1113 722.7,1113 C2.2@770,1160.3 ; 2763,335 2763,557 2847,641 2847,846 2911.73,910.73 C12.1@2911.73,940.77
  Top Layer w25: J7.1@465,1894 465,1529 575,1419 575,1113 575,1012 526,963 U1.16@486.73,963 ; U1.16@482.5,958.77 C1.2@482.5,905 R1.2@482.5,816.73 R2.2@482.5,746.73 482.5,704.5 583,604 583,332 642.5,272.5 R3.2@665,272.5 670,267.5 680.5,267.5 v1(770,178) ; U3.5@1509.8,955 1510,954.8 1510,905 C9.2@1505,900 2255,900 ; J11.2@1830,65 2089,324 2211.42,324 ; J5.1@1965,1067 1965,907 1972,900 ; J6.1@2165,1385 2165,1262 2228,1199 2228,1108.51 2232.57,1103.95 2232.57,1089.43 J4.1@2255,1067 2255,900 ; R9.2@2732.5,940 2688,940 S3.1@2532.42,784.42 S3.1@2532.42,461.58 2532.42,324 ; 2872.36,1524.36 2872.36,1557.36 2917,1602 3135.5,1602 3257.5,1480 3257.5,1477.5 3262.5,1472.5 C17.1@3265,1472.5 ; R7.1@3043.27,522.5 3165.14,522.5 3167.64,520 ; R8.1@3045,387.5 3163.14,387.5 3167.64,392 ; R6.1@3045,662.5 3164.14,662.5 3167.64,659 ; R5.1@3045,792.5 3162.14,792.5 3167.64,787 ; 3169.31,952.36 3169.31,788.67 3167.64,787 ; C14.1@3215,1012.5 C19.1@3265,1012.5 3266.5,1011 C20.1@3312.5,1011 ; 3265,1421 C17.1@3265,1472.5 ; C20.1@3315,1012.5 3597.5,1012.5 3640,1055 3640,1472.5 ; J9.1@3720,1690 3680,1690 3640,1650 3640,1472.5 ; 2211.42,324 2532.42,324 ; 2211.42,324 S2.1@2211.42,458.58 S2.1@2211.42,781.42 2255,825 2255,900 ; 2532.42,324 2763,324 3152.99,324 3167.64,338.64 3167.64,392 ; 3167.64,392 3167.64,520 ; 3167.64,520 3167.64,659 ; 3167.64,659 3167.64,787 ; C17.1@3265,1472.5 3640,1472.5
  Top Layer w30: C16.2@1383.31,1260.81 J3.4@1383.31,1364.09
  Top Layer w35: C16.2@1382.5,1260 1382.5,1107.5 v1(1385,1105)
  Bottom Layer w25: v1(770,178) 1782,178 1830,130 J11.2@1830,65
  Bottom Layer w30: v1(1385,1105) 1750,1105 1795,1150 1882,1150 J5.1@1965,1067
+5: C8.2 D1.C D3.C D12.C J10.1 J10.2 U3.1 U3.3 | length 1608
  Top Layer w25: D3.C@1267.18,950.32 D1.C@1267.18,1003 ; D1.C@1267.18,1025.32 D12.C@1267.18,1099.68 ; D1.C@1267.5,1025 1267.5,1003 1435,1003 ; U3.3@1435,1049.49 1435,1003 ; C8.2@1505,1115 1509.8,1110.2 1509.8,1018.73 1494.07,1003 1435,1003
  Top Layer w30: C8.2@1505,1115 1595,1115 1787,1307 1787,1908 1785,1910 ; J10.1@1730,1910 1785,1910 ; J10.2@1830,1910 1785,1910
GND: BT1.N C1.1 C2.1 C3.2 C4.2 C5.2 C6.1 C7.1 C8.1 C9.1 C10.2 C11.1 C12.2 C13.1 C14.2 C15.1 C16.1 C17.2 C18.2 C19.2 C20.2 C21.1 C22.2 C23.1 C24.1 D6.1 D7.C J1.A1 J1.A12 J1.B1 J1.B12 J1.SH J2.2 J2.3 J3.6 J3.SH J6.3 J7.2 J8.A1 J8.A12 J8.B1 J8.B12 J8.SH J9.2 J10.3 J10.4 J11.3 J11.4 R4.8 S4.1 U1.1 U2.1 U3.2 U4.12 U4.18 U4.31 U4.47 U4.63 | length 200.7
  Top Layer w10: J3.6@1469.92,1394.09 J3.6@1469.92,1394.09 1469.96,1444.96 v1(1470,1445) ; C24.1@2597.5,1264.73 2606.66,1273.9 2621.92,1273.9 2630,1281.97 2630,1295.46 2635.86,1301.32 2650.29,1301.32 2662.5,1313.53 C11.1@2662.5,1314 ; v1(2885,1410) 2885,1413.69 2892.05,1420.73 U4.63@2892.05,1463.23
  other v1: 296,190 2079,254 2184,254 1157,381 1477,381 296,411 3085,423 2620,618 2757,618 1919,619 2299,619 3452,644.5 3452,718.5 708,874 117,884 2552,1025 3078.05,1087.68 3078.05,1162 2485,1253.5 1963.5,1278.5 3078.05,1284 1600,1322 1207,1345 3305,1427 119,1429.04 1089,1548 1556,1560 3206.39,1597 2531,1652 1140,1792 1870,1810 3723,1833
NetBT1_P: BT1.P J4.2 U4.1 | length 2861.9
  Top Layer w10: v1(2772.96,1411.96) 2773.74,1411.17 2773.74,1388.14 2774.24,1387.64 U4.1@2796.77,1387.64
  Top Layer w15: J4.2@2155,1067 2156,1068 v1(2156,1199)
  Top Layer w20: BT1.P@1632.83,240 1635,242.17 v1(1635,344) ; v1(1634,544) 1634,733 1634.31,733.31 1634.31,734.31 v1(1635,735)
  Top Layer w25: BT1.P@987.17,240 1137.17,90 1482.83,90 BT1.P@1632.83,240
  Bottom Layer w10: v1(2156,1199) 2155,1200 2155,1261 2324,1430 2755,1430 2772.96,1412.04 v1(2772.96,1411.96)
  Bottom Layer w20: v1(1634,544) 1634.5,543.5 1634.5,344.5 v1(1635,344) ; v1(1635,735) 1823,735 J4.2@2155,1067
NetC3_1: C3.1 U1.7 Y1.2 | length 263.3
  Top Layer w20: U1.7@703.27,1263 716.85,1263 719.06,1265.2 719.06,1265.78 730.77,1277.5 C3.1@770,1277.5 ; C3.1@767.5,1277.5 871.37,1277.5 900,1306.13 Y1.2@900,1352.01
NetC5_1: C5.1 C7.2 D3.A U2.2 | length 773.2
  Top Layer w25: C7.2@1038,727.5 1077.83,727.5 1100.33,705 U2.2@1117.83,705 1196,705 ; D3.A@1132.5,950 1196,886.5 1196,705 ; C5.1@1500,631.1 1420.07,631.1 U2.2@1346.17,705 1196,705
NetC10_1: C10.1 U1.8 Y1.1 | length 565.7
  Top Layer w20: U1.8@703.27,1313 v1@819,1313 ; C10.1@770,1005.3 821.35,1005.3 ; v1(821,1242) 821.35,1241.65 821.35,1005.3 ; Y1.1@900,977.99 872.7,1005.3 821.35,1005.3
  Bottom Layer w20: v1@819,1313 821,1311 v1(821,1242)
  other v1: 821,1313
NetC11_2: C11.2 U4.5 Y2.2 | length 438.3
  Top Layer w10: Y2.2@2470,1427.01 2470,1363 2519,1314 C11.2@2597.5,1314 2597.5,1314.47 2627.03,1344 2691,1344 2726.1,1308.9 U4.5@2796.77,1308.9
NetC13_2: C13.2 U4.6 Y2.1 | length 541.2
  Top Layer w10: Y2.1@2470,1052.99 2470,1121 2514.73,1165.73 2535,1165.73 ; v1(2535,1190) 2535,1165.73 ; C13.2@2597.5,1165.73 2535,1165.73 ; v1(2700,1281.45) 2702.61,1284.06 2717.67,1284.06 2722.82,1289.21 U4.6@2796.77,1289.21
  Bottom Layer w10: v1(2535,1190) 2608.55,1190 v1(2700,1281.45)
NetC21_2: C21.2 U4.3 Y3.2 | length 518.1
  Top Layer w10: v1(2536.46,1402.69) 2579.14,1360 2715,1360 2726.73,1348.27 U4.3@2796.77,1348.27 ; v1(2625,1402.69) Y3.2@2625,1466.73
  Top Layer w15: Y3.2@2625,1466.73 2655,1496.73 C21.2@2655,1535
  Bottom Layer w10: v1(2536.46,1402.69) 2538.86,1405.09 2622.59,1405.09 v1(2625,1402.69)
NetC22_1: C22.1 J5.2 U4.13 | length 1248.5
  Top Layer w10: v1(2630,1115) 2630,1181.76 2647.97,1199.73 C22.1@2662.5,1214.26 ; C22.1@2662.5,1214.73 C22.1@2662.5,1214.26 ; U4.13@2796.77,1151.42 2725.34,1151.42 C22.1@2662.5,1214.26
  Bottom Layer w15: J5.2@1865,1067 1865,1013 1902,976 1970.19,976 2041,1046.81 2041,1115.28 2092.58,1166.86 2395.19,1166.86 2447.05,1115 v1(2630,1115)
NetC23_2: C23.2 U4.4 Y3.1 | length 340.8
  Top Layer w10: Y3.1@2725,1466.73 2725,1464.62 2739.62,1450 2770,1450 2803,1417 2830,1417 2843.58,1403.42 2843.58,1334.44 2837.72,1328.58 U4.4@2796.77,1328.58
  Top Layer w15: C23.2@2705,1535 2705,1486.73 Y3.1@2725,1466.73
NetC24_2: C24.2 J7.5 R9.1 S4.2 U4.7 | length 5960.8
  Top Layer w10: v1(2398,982) 2398,1162 2431,1195 v1(2485,1195) ; C24.2@2654.73,1264.73 C24.2@2664.52,1254.94 ; C24.2@2662.5,1264.73 2671.43,1255.8 2672.27,1256.64 2694.67,1256.64 2706.31,1245 v1(2710,1245) 2734.53,1269.53 U4.7@2796.77,1269.53 ; R9.1@2797.5,940 v1(2797.5,981.5)
  Top Layer w25: S4.2@1831.42,478.58 1831.42,654 ; S4.2@1831.42,781.42 1831.42,654 ; v1(2154,654) 1831.42,654 ; R9.1@2797.5,940 2797.5,653.5 v1(2798,653)
  Bottom Layer w10: v1(2398,982) 2398.5,981.5 v1(2797.5,981.5) ; v1(2485,1195) 2522,1158 2623,1158 v1(2710,1245)
  Bottom Layer w25: J7.5@65,1894 65,1879.46 40,1854.46 40,869 254.45,654.55 2153.45,654.55 v1(2154,654) 2797,654 v1(2798,653)
NetD1_A: D1.A J1.A4 J1.A9 J1.B4 J1.B9 | length 1666.6
  Top Layer w11.81: 237.59,824.72 J1.B4@268.72,824.72 ; 237.59,922.17 J1.B9@268.72,922.17 ; J1.A9@321.87,815.87 v1@363,815.87 ; J1.A4@321.87,914.29 353,914.29
  Top Layer w15: v1(188,921) 189.17,922.17 237.59,922.17 ; v1(190,824) 190.72,824.72 237.59,824.72 ; 353,914.29 411.71,914.29 436,890 v1(436,816)
  Top Layer w25: v1(363,816) v1(436,816)
  Top Layer w39: v1(976,816) 976,925 1076,1025 D1.A@1132.5,1025
  Bottom Layer w30: v1(188,921) 188,826 v1(190,824) 198,816 v1(363,816) v1(436,816)
  Bottom Layer w39: v1(436,816) v1(976,816)
  other v1: 399.5,816
NetD2_A: D2.A D6.2 F1.2 | length 466.9
  Top Layer w40: D6.2@790.12,454.53 D2.A@880,454.53 ; F1.2@854.65,110 854.65,201.65 880,227 D2.A@880,454.53 ; D2.A@902.03,454.53 D2.A@880,454.53
NetD4_A: D4.A R1.1 | length 45.6
  Top Layer w20: R1.1@547.5,816.73 548.23,816 591.77,816 D4.A@592.5,816.73
NetD4_C: D4.C J9.3 U1.2 U4.8 | length 3796.3
  Top Layer w10: v1(2715,1209.36) 2755.48,1249.84 3159.84,1249.84 v1(3190,1280)
  Top Layer w15: D4.C@657.5,816.73 651.65,822.58 651.65,928.35 v1(650,930) 650,993.52 669.48,1013 U1.2@703.27,1013
  Bottom Layer w10: v1(3190,1280) 3525,1280 3720,1475 J9.3@3720,1490
  Bottom Layer w15: v1(650,930) 1980.76,930 2083,1032.24 2083,1098 2111.86,1126.86 2376.14,1126.86 2435.31,1067.69 2697.69,1067.69 2767.31,1137.31 2767.31,1210.22 2756.81,1220.72 2728.69,1220.72 2717.33,1209.36 v1(2715,1209.36)
NetD5_A: D5.A R2.1 | length 45.6
  Top Layer w20: R2.1@547.5,746.73 548.23,746 591.77,746 D5.A@592.5,746.73
NetD5_C: D5.C J9.4 U1.3 U4.9 | length 3738.5
  Top Layer w10: v1(2740,1190) 2740,1211.39 2758.77,1230.16 U4.9@2796.77,1230.16 ; U4.9@2820.77,1229.66 3172.83,1229.66 3188.13,1244.96 v1(3190.04,1244.96)
  Top Layer w15: D5.C@657.5,746.73 622.69,781.54 622.69,1024.69 661,1063 U1.3@703.27,1063 708,1058.26 v1(785.24,1058.26)
  Bottom Layer w10: v1(3190.04,1244.96) 3574.96,1244.96 J9.4@3720,1390
  Bottom Layer w15: v1(785.24,1058.26) 1751.74,1058.26 1856,954 1976.47,954 2062,1039.53 2062,1108 2100.86,1146.86 2386.91,1146.86 2446.08,1087.69 2687.69,1087.69 2740,1140 v1(2740,1190)
NetD7_A: D7.A R3.1 | length 45.8
  Top Layer w20: R3.1@665,337.5 666,338.5 666,381.5 D7.A@665,382.5
NetD8_A: D8.A R5.2 | length 60
  Top Layer w15: D8.A@2985,857.5 R5.2@3045,857.5
NetD8_C: D8.C J11.5 U4.26 | length 1690.3
  Top Layer w10: 3049.53,934.6 U4.26@3049.53,1016.77
  Top Layer w15: J11.5@2130,65 2345,280 v1(2750,280) ; v1(2792.81,425) 2792.81,527.81 2895,630 2895,792.5 ; D8.C@2985,792.5 2895,792.5 ; 3049.53,934.6 3011.93,897 2960,897 2895,832 2895,792.5
  Bottom Layer w15: v1(2750,280) 2750,380 2792.81,422.81 v1(2792.81,425)
NetD9_A: D9.A R6.2 | length 60
  Top Layer w15: D9.A@2985,727.5 R6.2@3045,727.5
NetD9_C: D9.C J11.6 U4.27 | length 1614.4
  Top Layer w10: D9.C@2985,662.5 2987.5,662.5 3025.31,624.69 v1(3065.71,624.69) ; v1(3056.38,900) 3058.98,902.61 3058.98,919.31 3069.21,929.54 U4.27@3069.21,1016.77
  Top Layer w15: J11.6@2230,65 2415,250 2765,250 v1(2795,280) ; v1(2820,360) 2820.12,360.12 2820.12,500.12 2982.5,662.5 D9.C@2985,662.5
  Bottom Layer w10: v1(3056.38,900) 3056.38,765.71 3065.71,756.38 v1(3065.71,624.69)
  Bottom Layer w15: v1(2795,280) 2795,335 v1(2820,360)
NetD10_A: D10.A R7.2 | length 60
  Top Layer w15: D10.A@2983.27,587.5 R7.2@3043.27,587.5
NetD10_C: D10.C J11.7 U4.28 | length 1606.8
  Top Layer w10: D10.C@2983.27,522.5 2985.77,522.5 3023.27,485 v1(3085,485) ; U4.28@3088.9,1016.77 3088.9,901.1 v1(3090,900)
  Top Layer w15: J11.7@2330,65 2490,225 2785,225 v1(2840,280) ; v1(2847.43,425) 2847.43,475.43 2894.5,522.5 D10.C@2983.27,522.5
  Bottom Layer w10: v1(3085,485) 3085,488.69 3092.52,496.2 3092.52,897.48 v1(3090,900)
  Bottom Layer w15: v1(2840,280) 2840,323.55 2847.69,331.24 2847.69,424.74 v1(2847.43,425)
NetD11_A: D11.A R8.2 | length 60
  Top Layer w15: D11.A@2985,452.5 R8.2@3045,452.5